# KiCad board s100_ColorMagic-1.1-004.kicad_pcb (continued)
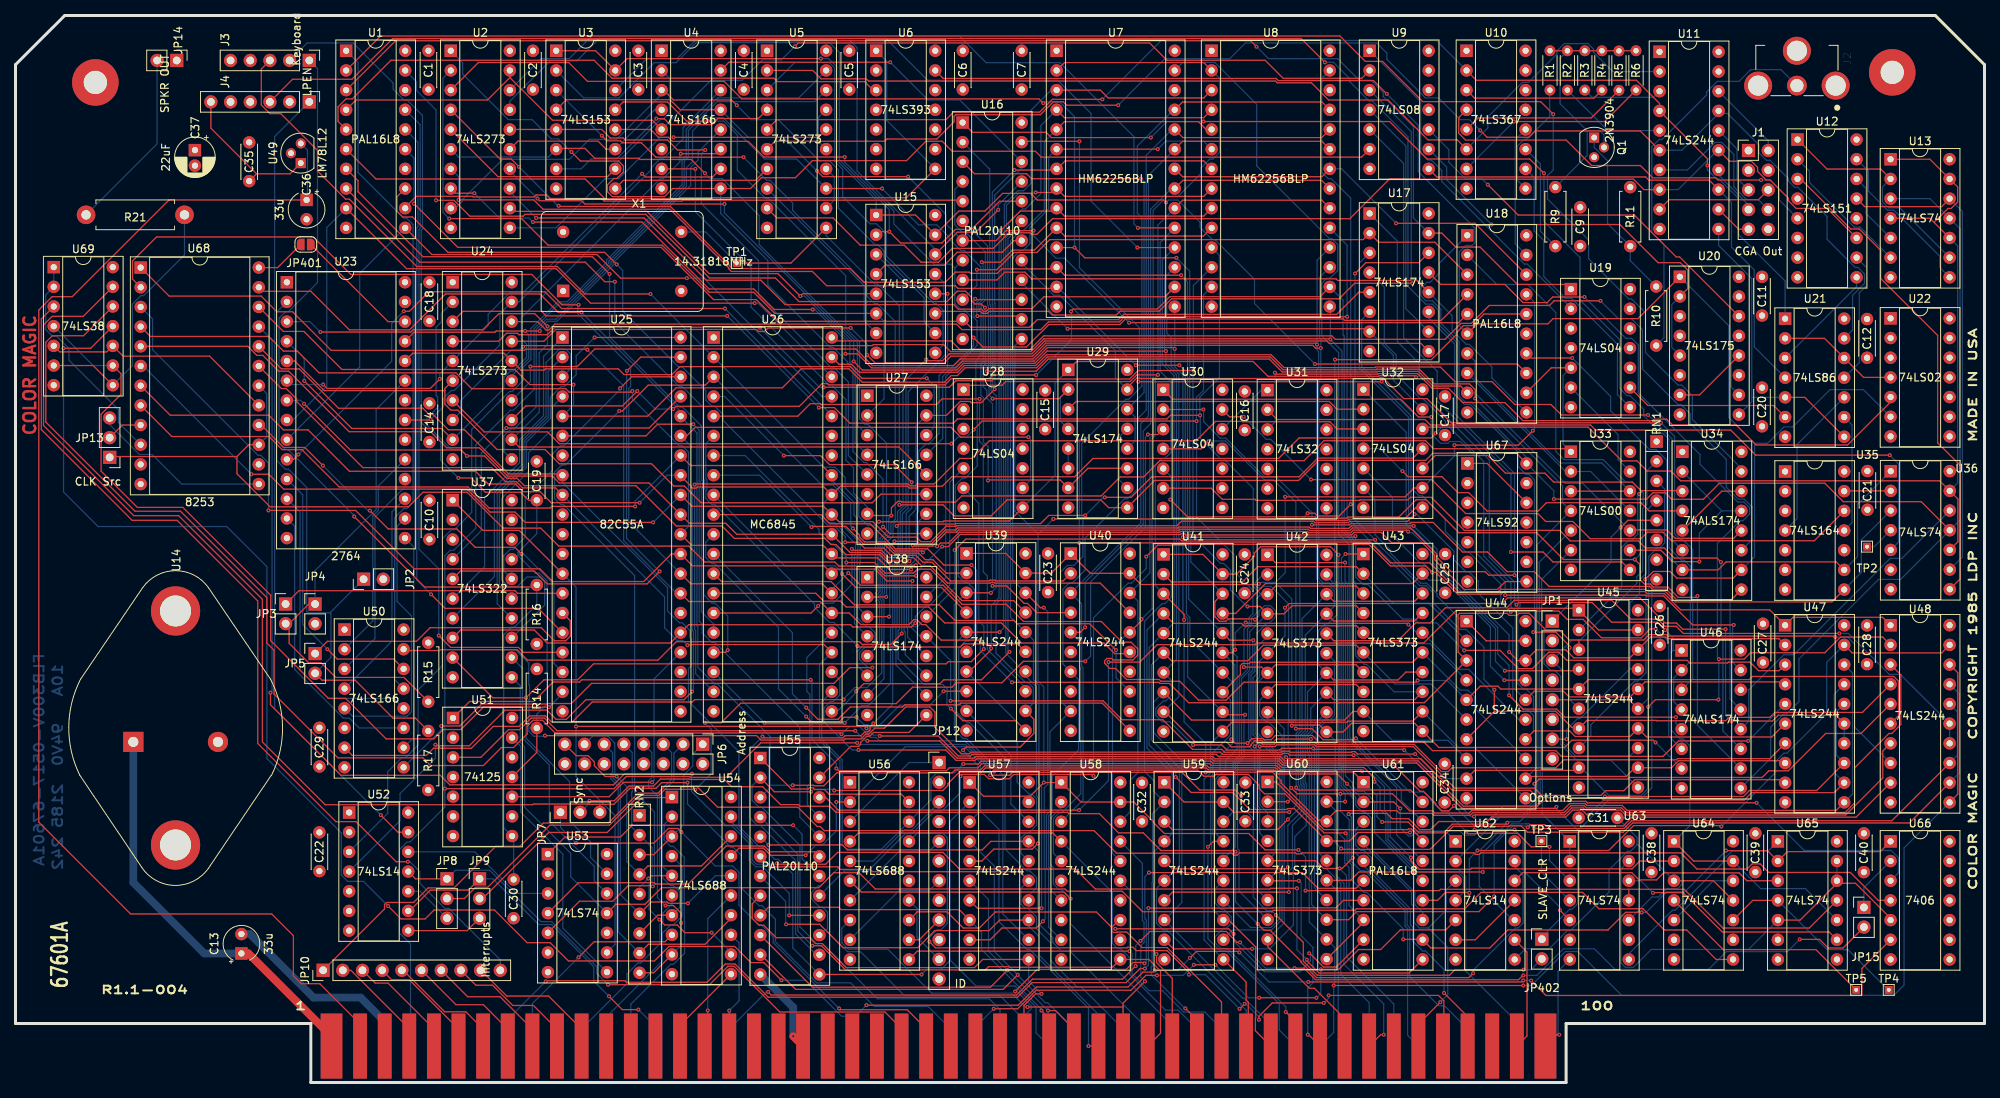
[diagram p0: board, top side]
## Routing (per net, layer and track width the routed paths; a pad name or vN(x,y) marks a point on that pad's centre or on a via; arc(x,y) is an arc through that point) (continued)
DISPEN: length 120.5
  Component w0.152: v1(138,73.19) 133.28,73.19 132.23,72.14 121.3,72.14 121.23,72.07 113.91,72.07 v1(113.67,71.82) ; v1(140.52,75.52) 143.92,75.52 146.57,78.18 165.6,78.18 168,80.59 180.28,80.59 U32.11 ; v1(96.61,46.43) 96.74,46.3 106.84,46.3 v1(106.97,46.42)
  Copper w0.152: v1(113.67,71.82) 113.84,71.64 113.84,68.82 113.16,68.13 113.16,59.03 112.87,58.75 112.87,51.5 110.01,48.63 109.18,48.63 v1(106.97,46.42) ; v1(140.52,75.52) 140.33,75.52 v1(138,73.19) ; U26.18 v1(96.61,46.43)
DO0: length 111.5
  Component w0.152: v1(150.92,9.57) 152.4,8.08 P1.36 ; U43.2 172.98,66.57 160.25,66.57 158.28,64.6 149.12,64.6 U41.2
  Copper w0.152: U43.2 177.69,61.86 182.32,61.86 U44.2 ; U41.2 149.11,64.61 149.11,62.64 148.27,61.81 147.92,61.81 145.64,59.52 145.64,40.16 146.92,38.87 146.92,37.49 U59.2 146.67,34.68 146.67,25.85 146.62,25.79 146.62,15.04 146.51,14.93 146.51,13.9 150.84,9.57 v1(150.92,9.57)
DO1: length 102.7
  Component w0.152: P1.35 149.23,13.44 147.2,15.47 v1(147.2,16.57) ; U43.5 172.98,58.95 158.91,58.95 158.88,58.92 158.5,58.92 158.16,59.25 149.39,59.25 U41.4
  Copper w0.152: v1(147.2,16.57) 146.9,16.86 146.9,25.68 146.95,25.73 146.95,29.88 U59.4 149.21,32.14 149.21,39.91 145.96,43.16 145.96,58.39 U41.4 ; U43.5 175.28,56.65 182.45,56.65 187.18,51.92
DO2: length 103.5
  Component w0.152: U41.6 149.13,54.43 158.97,54.43 160.97,56.44 172.95,56.44 U43.6
  Copper w0.152: U43.6 177.96,51.42 181.06,51.42 181.07,51.43 182.59,51.43 U44.6 ; 158.75,4.7 158.75,9.33 158.11,9.97 158.11,10.1 148.54,19.67 148.08,19.67 147.19,20.56 147.19,25.04 U59.6 150.14,27.99 150.14,40.61 146.52,44.22 146.52,53.88 U41.6
DO3: length 98
  Component w0.152: U43.9 172.55,47.88 171.45,46.78 164.95,46.78 164.94,46.78 164.33,46.78 164.32,46.78 151.7,46.78 U41.8
  Copper w0.152: U43.9 177.61,44.16 184.78,44.16 187.18,41.76 ; P1.89 161.93,7.47 158.53,10.87 158.3,10.87 U59.8 150.46,23.23 150.46,41.51 146.81,45.17 146.81,49.08 U41.8
DO4: length 88.9
  Component w0.152: U43.12 180.26,46.64 171.9,46.64 171.76,46.5 164.84,46.5 164.83,46.5 164.45,46.5 164.44,46.5 156.92,46.5 U41.11 ; 158.75,4.7 159.03,4.98 159.03,10.35 158.75,10.63 158.75,12.96 U59.11
  Copper w0.152: U41.11 154.15,43.72 154.15,39.96 153.32,39.13 153.32,18.39 U59.11 ; U44.11 188.27,43.21 186.17,43.21 U43.12
DO5: length 99.2
  Component w0.152: U41.13 158.01,52.66 158.01,53.8 158.28,54.07 159.14,54.07 159.31,54.24 180.23,54.24 U43.15 ; P1.39 159.94,6.68 159.94,8.29 159.98,8.32 159.98,17.49 156.5,20.97 U59.13
  Copper w0.152: U41.13 156.73,49.37 156.73,44.83 154.46,42.56 154.46,39.75 154.19,39.48 154.19,30.78 154.29,30.69 154.29,22.5 U59.13 ; U43.15 186.37,50.64 187.37,50.64 188.23,49.78 188.23,48.34 194.8,41.76
DO6: length 107.7
  Component w0.152: U41.15 156.93,55.45 v1(157.34,55.86) ; v1(163.86,9.1) 165.1,7.86 165.1,4.7 ; v1(179.7,59.1) 179.53,59.26 158.8,59.26 v1(158.69,59.37)
  Copper w0.152: v1(163.86,9.1) 163.86,9.76 156.32,17.3 155.48,17.3 154.73,18.05 154.73,18.8 155.82,19.9 156.18,19.9 156.83,20.54 156.83,21.39 155.84,22.37 155.54,22.37 154.75,23.16 154.75,24.98 U59.15 154.57,27.3 154.57,31.85 154.47,31.95 154.47,39.37 155.39,40.28 155.39,42.16 157.3,44.07 157.3,53.88 U41.15 ; v1(158.69,59.37) 157.34,58.03 v1(157.34,55.86) ; U44.15 193.93,46.84 187.45,53.32 186.23,53.32 U43.16 180.75,58.05 v1(179.7,59.1)
DO7: length 114.8
  Component w0.152: U59.17 154.53,31.13 v1(153.82,30.43) ; 194.8,51.92 v1(192.06,51.92) ; U43.19 180.23,64.4 161.25,64.4 157.39,60.53 U41.17
  Copper w0.152: U43.19 182.35,64.82 184.26,64.82 190.27,58.81 190.27,53.72 v1(192.06,51.92) ; U41.17 156.79,59.46 156.79,55.74 157.58,54.95 157.58,43.03 156.11,41.57 156.11,40.47 154.81,39.16 154.81,32.14 U59.17 ; v1(153.82,30.43) 153.82,18.55 155.42,16.96 156.24,16.96 163.02,10.18 163.02,6.78 165.1,4.7
DOTCLK: length 268.9
  Component w0.152: U19.5 198.12,92.23 194.9,89.02 ; U33.1 200.24,81.8 182.94,81.8 181.91,82.82 168.79,82.82 166.22,80.25 147.61,80.25 145.52,78.15 142.5,78.15 140.05,75.7 122.07,75.7 121.28,74.91 114.31,74.91 114.21,75.01 113.83,75.01 112.99,74.17 v1(112.99,73.17) 110.1,73.17 U27.7 ; v1(106.83,49.41) 87.59,49.41 87.29,49.11 74.4,49.11 71.87,46.57 69.08,46.57 68.34,47.31 66.33,47.31 64.97,45.96 61.63,45.96 58.81,43.14 53.93,43.14 53,42.21 43.45,42.21 U50.7 ; U4.7 v1(87.7,117.92)
  Copper w0.152: U19.5 199.64,91.23 199.64,82.4 U33.1 ; U27.7 109.88,74.27 108.11,76.05 108.11,79.34 107.12,80.32 107.12,88.15 105.36,89.91 105.04,89.91 94.89,100.06 94.89,105.2 87.7,112.39 v1(87.7,117.92) ; v1(112.99,73.17) 112.65,72.82 112.65,70.97 111.82,70.14 111.82,63.25 111.53,62.97 111.53,62.36 111.75,62.15 111.75,52.87 109.84,50.97 108.27,50.97 106.83,49.53 v1(106.83,49.41)
DOTD0: length 35
  Component w0.152: v1(40.24,55.92) 41.51,54.64 48.8,54.64 U50.14
  Copper w0.152: U23.11 37.05,75.83 37.05,59.1 v1(40.24,55.92)
DOTD1: length 38.2
  Copper w0.152: U23.12 36.71,73.64 36.71,53.22 40.36,49.56 48.8,49.56 U50.12
DOTD2: length 37.1
  Copper w0.152: U50.11 44.33,45.75 43.06,47.03 42.29,47.03 36.01,53.31 36.01,71.8 U23.13
DOTD3: length 28.1
  Copper w0.152: U50.10 51.37,44.52 51.37,69.13 U23.15
DOTD4: length 35.4
  Copper w0.152: U50.5 43.46,47.28 50.5,47.28 51.08,47.86 51.08,60.23 49.22,62.09 49.22,71.77 U23.16
DOTD5: length 27.7
  Copper w0.152: U23.17 48.56,73.66 48.56,56.95 U50.4
DOTD6: length 27.7
  Copper w0.152: U50.3 46.37,57.3 46.37,72.99 50.24,76.87 U23.18
DOTD7: length 27.7
  Copper w0.152: U50.2 46.09,59.56 46.09,73.11 46.8,73.83 46.8,76.98 U23.19
ENABLE_BLINK: length 181.1
  Component w0.152: U1.3 49.03,134.45 159.32,134.45 v1(160.09,133.69) ; U17.15 184,109.61 185.79,107.82 188.92,107.82 193.75,102.99 200.05,102.99 U19.1
  Copper w0.152: v1(160.09,133.69) 161.64,132.14 170.56,132.14 173.35,129.34 174.87,129.34 176.43,127.78 176.43,127.25 180.33,123.35 180.33,111.58 U17.15
FB1: length 37.2
  Component w0.152: U33.12 U33.3
  Copper w0.152: U33.12 204.63,79.95 199.25,79.95 188.28,90.92 188.28,93.09 187.28,94.1
FB2: length 28.4
  Copper w0.152: U18.8 187.28,91.53 199.95,78.86 U33.2 203.19,78.86 U33.11
G: length 177.7
  Component w0.152: U11.6 209.59,122.81 196.04,122.81 195.22,121.99 189.83,121.99 v1(188.95,122.88) ; U5.6 97.97,121.48 112.14,121.48 112.43,121.77 118.85,121.77 121.06,123.98 121.06,124.67 121.3,124.9 132.21,124.9 133.88,126.57 135.16,126.57 135.6,126.13 v1(142.25,126.13)
  Copper w0.152: v1(188.95,122.88) 187.56,124.27 186.37,124.27 183.56,127.07 181.88,127.07 176.91,132.05 176.91,132.84 175.59,134.16 158.65,134.16 156.63,132.14 148.26,132.14 v1(142.25,126.13) ; 219.7,125.07 214.95,120.31 U11.6 ; 219.7,125.07 U11.17 ; 219.7,125.07 220.84,125.07 224.9,121 224.9,119.98 225.87,119.01 226.35,119.01 228.72,116.64 228.72,116.34 229.51,115.55 229.92,115.55 233.69,111.78 233.69,108.82 237.33,105.19 237.68,105.19 238.52,104.35 238.52,103.12 236.98,101.58 236.98,97.12 U21.13
G_OUT: length 6.7
  Copper w0.152: U11.14 219.7,117.12 223.56,113.26 J1.7
GA0: length 75.2
  Component w0.152: U39.11 129.03,46.69 122.22,46.69 v1(120.65,48.25) ; v1(99.11,80.91) 103.84,80.91 105.01,79.74 113.33,79.74 v1(115.61,77.46)
  Copper w0.152: v1(99.11,80.91) 91.49,88.53 U26.4 ; v1(120.65,48.25) 120.16,48.75 120.16,50.16 120.21,50.22 120.21,50.75 119.6,51.36 117.19,51.36 113.86,54.7 113.86,58.34 114.02,58.5 114.02,67.66 114.9,68.54 114.9,73.44 115.61,74.15 v1(115.61,77.46)
GA1: length 75.5
  Component w0.152: v1(124.36,88.22) 119.53,88.22 118.81,87.5 103.88,87.5 103.77,87.61 102.53,87.61 100.91,86 U26.5
  Copper w0.152: U39.13 130.3,50.96 125.38,55.88 125.38,56.14 125.37,56.15 125.37,65.38 124.84,65.9 124.84,82.26 124.36,82.74 v1(124.36,88.22)
GA2: length 58.6
  Component w0.152: v1(108.61,56.34) 108.75,56.21 121.88,56.21 122.28,56.61 129.26,56.61 U39.15
  Copper w0.152: U26.6 89.05,82.44 89.05,77.96 89.19,77.82 89.19,76.51 89.05,76.37 89.05,75.39 89.87,74.56 90.24,74.56 103.08,61.73 103.08,61.31 105.02,59.37 105.58,59.37 v1(108.61,56.34)
GA3: length 49.7
  Component w0.152: v1(107.18,67.11) 110.82,67.11 112.18,65.75 115.83,65.75 116.33,66.25 118.03,66.25 122.08,62.2 128.76,62.2 U39.17
  Copper w0.152: v1(107.18,67.11) 107.18,67.82 105.52,69.48 105.15,69.48 103.66,70.97 103.66,71.36 94.11,80.92 U26.7
GA4: length 37.9
  Component w0.152: U39.2 120.07,65.74 118.33,67.47 117.35,67.47 116.51,68.32 113.25,68.32 112.09,69.48 109.43,69.48 108.19,70.72 108.16,70.72 107.12,71.77 102.77,71.77 v1(102.69,71.68)
  Copper w0.152: U26.8 96,78.38 v1(102.69,71.68)
GA5: length 39
  Component w0.152: v1(106.64,65.64) 108.4,63.88 119.45,63.88 U39.4
  Copper w0.152: v1(106.64,65.64) 106.64,65.75 105.72,66.68 99.22,66.68 U26.9
GA6: length 48
  Component w0.152: U26.10 103.88,73.3 105.07,72.1 110.27,72.1 113.49,68.88 117.67,68.88 119.77,66.78 v1(123.32,66.78)
  Copper w0.152: U39.6 123.99,56.9 123.99,66.11 v1(123.32,66.78)
GA7: length 53.1
  Component w0.152: v1(101.99,47.23) 102.64,46.58 106.31,46.58 106.87,47.14 v1(108.49,47.14) ; U39.8 v1(119.73,50.5)
  Copper w0.152: v1(108.49,47.14) 109.46,46.17 109.97,46.17 110.26,45.88 111.24,45.88 114.06,48.69 117.93,48.69 v1(119.73,50.5) ; U26.11 89.05,69.74 89.05,67.76 89.84,66.97 90.19,66.97 98.42,58.74 98.42,50.8 v1(101.99,47.23)
GA8: length 69.5
  Component w0.152: U40.11 140.18,48.97 121.94,48.97 121.72,48.74 114.72,48.74 114.43,48.46 107.68,48.46 106.1,46.88 103.51,46.88 v1(102,48.38)
  Copper w0.152: v1(102,48.38) 100.22,50.17 100.22,58.06 U26.12
GA9: length 62.1
  Component w0.152: v1(141.97,55.81) 138.56,59.21 129.2,59.21 128.78,59.63 121.19,59.63 119.16,61.65 108.2,61.65 105.21,64.65 91.08,64.65 U26.13
  Copper w0.152: U40.13 141.97,52.25 v1(141.97,55.81)
GA10: length 57
  Component w0.152: U26.14 103.24,63.14 104.24,62.13 106.4,62.13 107.17,61.36 117.81,61.36 119.86,59.32 127.17,59.32 129.78,56.72 140.41,56.72 141.78,55.35 143.54,55.35 U40.15
GA11: length 63.3
  Component w0.152: v1(107.9,68.86) 108.07,68.68 111.7,68.68 112.62,67.75 115.83,67.75 116.92,66.67 118.01,66.67 120.23,64.45 125.75,64.45 125.85,64.55 126.23,64.55 126.33,64.45 139.93,64.45 U40.17 ; v1(103.54,61.5) 102.63,60.59 U26.15
  Copper w0.152: v1(107.9,68.86) 107.9,64.28 105.48,61.86 103.9,61.86 v1(103.54,61.5)
GA12: length 92.6
  Component w0.152: v1(76.63,104.35) 74.41,106.58 52.56,106.58 44.19,114.96 44.19,116.38 U1.7
  Copper w0.152: U26.16 90.06,59.17 88.48,60.76 88.48,76.59 88.63,76.74 88.63,77.59 88.48,77.74 88.48,84.74 86.05,87.17 85.69,87.17 76.63,96.23 v1(76.63,104.35)
GA13: length 95.7
  Component w0.152: v1(77.31,103.35) 76.02,103.35 73.5,105.87 52.15,105.87 U1.8 ; U26.17 91.61,55.52 v1(91.88,55.79)
  Copper w0.152: v1(77.31,103.35) 77.31,98.13 85.64,89.81 86.02,89.81 88.76,87.06 88.76,77.86 88.91,77.71 88.91,76.62 88.76,76.47 88.76,62.96 89.86,61.86 90.22,61.86 91.88,60.2 v1(91.88,55.79)
GRPH: length 139.5
  Component w0.152: U17.5 173.29,102 170.43,99.13 142.96,99.13 142.29,98.46 131.82,98.46 130.83,97.47 123.21,97.47 U16.11 121.92,98.24 98.37,98.24 95.56,101.04 90.04,101.04 83.3,107.78 57.05,107.78 v1(51.42,113.41)
  Copper w0.152: v1(51.42,113.41) 51.42,119.3 U1.15
HCLK: length 216.7
  Component w0.152: U39.1 127.76,68.28 U39.19 133.61,65.74 U40.1 138.67,65.72 U40.19 145.2,64.27 160.31,64.27 v1(160.4,64.35) ; 169.15,15.93 173.9,20.69 U61.8 ; v1(163.78,75.59) 179.26,75.59 180.41,76.73 U32.9 ; v1(164.64,46.04) 164.72,46.13 168.24,46.13 U42.11 171.24,45.25 172.35,46.35 180.49,46.35 U43.11 183.61,43.24 199.84,43.24 200.77,44.17 211.28,44.17 v1(211.56,43.89) ; v1(195.74,84.12) 193.88,82.26 v1(185.62,82.26)
  Copper w0.152: U46.7 v1(211.56,43.89) ; 162.53,64.53 164.64,62.42 v1(164.64,46.04) ; 162.53,64.53 160.58,64.53 v1(160.4,64.35) ; 162.53,64.53 163.78,65.79 v1(163.78,75.59) ; v1(185.62,82.26) 185.62,80.86 U32.9 ; v1(195.74,84.12) 195.96,84.34 195.96,100.66 U18.17 ; U42.11 170.23,44.14 170.23,37.28 170.62,36.9 170.62,32.23 171.47,31.38 171.47,28.3 172.03,27.74 172.03,22.84 U61.8
HDGRAPHIC: length 82.6
  Component w0.152: U17.12 180.69,103.61 179.99,103.61 179.9,103.51 170.56,103.51 170.35,103.73 131.07,103.73 130.22,104.58 127.62,104.58 126.61,103.58 U16.9
  Copper w0.152: U18.11 190.45,90.93 190.45,92.36 187.53,95.27 187.15,95.27 185.32,97.1 185.32,98.97 U17.12
HI_ADDR: length 106.1
  Component w0.152: v1(165.31,25.06) 161.92,25.06 161.83,24.97 139.31,24.97 136.73,27.54 121.79,27.54 119.64,29.7 106.04,29.7 104.51,28.17 98.37,28.17 v1(98.25,28.29) ; v1(166.59,15.84) 166.59,15.7 168.15,14.13 179.77,14.13 U61.11
  Copper w0.152: v1(166.59,15.84) 165.31,17.12 v1(165.31,25.06) ; U54.19 92.3,33.68 95.01,30.97 95.01,28.74 95.58,28.18 98.13,28.18 v1(98.25,28.29)
HRES: length 72.1
  Component w0.152: v1(124.02,104.9) 126.59,104.9 128.81,107.12 131.76,107.12 133.42,108.78 173.84,108.78 U17.2 175.85,108.44 183.1,108.44 U18.3
  Copper w0.152: U16.10 124.02,102.87 v1(124.02,104.9)
HSYNC: length 129.6
  Component w0.152: v1(210.6,86.15) 199.43,86.15 198.08,87.5 193.41,87.5 190.46,90.45 185.69,90.45 183.8,92.34 175.45,92.34 175.38,92.27 163.63,92.27 161.97,93.93 132.99,93.93 131.6,92.54 122.4,92.54 121.53,91.66 108.87,91.66 107.84,92.69 106.22,92.69 U26.39
  Copper w0.152: U34.6 213.7,70.03 213.7,83.05 v1(210.6,86.15)
HSYNC_OUT: length 40.4
  Component w0.152: U21.5 230.82,88.42 U21.8
  Copper w0.152: U20.9 223.98,87.86 223.98,88.42 ; 223.98,88.42 U21.5 ; 223.98,88.42 223.98,103.75 219.7,108.03 U11.11
I: length 127.8
  Component w0.152: U5.2 102.84,130.62 103.93,129.53 109.77,129.53 110.06,129.24 162.55,129.24 162.78,129.02 167.17,129.02 169.39,126.81 177.05,126.81 182.2,121.66 185.98,121.66 U10.6
  Copper w0.152: U11.2 206.05,130.47 203.55,132.97 203.55,133.38 202.85,134.08 199.79,134.08 198.85,133.14 198.85,132.75 195.18,129.08 194.38,129.08 189.93,124.63 189.93,123.21 U10.6
I_OUT: length 10.3
  Copper w0.152: J1.2 226.1,121.53 U11.18
KBD_CLK: length 311.1
  Component w0.152: v1(180.01,29.04) 180.01,28.63 181.12,27.52 187.7,27.52 187.84,27.66 192.36,27.66 192.45,27.57 208.54,27.57 209.54,28.58 U64.2 ; v1(172.61,42.25) 164.37,42.25 164.14,42.48 163.48,42.48 163.34,42.34 155.71,42.34 155.41,42.63 123.26,42.63 123.05,42.42 122.03,42.42 118.61,45.84 118.61,47.81 117.96,48.46 114.83,48.46 112.11,45.74 110.85,45.74 110.09,44.97 109.7,44.97 109.08,44.35 107.01,44.35 106.86,44.2 96.18,44.2 95.6,44.77 v1(68.3,44.77) ; v1(43.69,73.04) 52.79,63.95 66.98,63.95 R16.1
  Copper w0.152: R16.1 67.25,61.66 64.36,58.77 63.97,58.77 62.98,57.78 62.98,55.84 ; v1(68.3,44.77) 68.21,44.68 66.86,44.68 66.23,45.31 66.23,49.37 66.32,49.46 66.32,51.2 66.21,51.3 66.21,54.13 64.49,55.84 62.98,55.84 ; 62.98,55.84 62.98,32.89 U51.8 64.26,31.6 C30.1 ; v1(172.61,42.25) 172.99,42.25 177.34,37.9 177.34,31.71 v1(180.01,29.04) ; v1(43.69,73.04) 43.69,73.16 35.16,81.69 34.8,81.69 34,82.49 34,98.65 34.82,99.47 35.19,99.47 38.96,103.24 38.96,130.85 J3.1
KBD_DATA: length 124
  Component w0.152: U51.11 67.25,42.61 R14.1 ; v1(57.13,78.02) 58.77,78.02 60.62,76.18 65.16,76.18 66.18,75.16 C19.1
  Copper w0.152: 64.81,68.02 64.5,68.02 U37.17 ; 64.81,68.02 64.81,68.4 67.25,70.83 C19.1 ; 64.81,68.02 67.09,65.74 67.54,65.74 68.58,64.7 68.58,48.86 67.25,47.53 R14.1 ; 35.36,131.91 37.62,134.16 43.54,134.16 48.71,128.99 48.71,128.19 50.1,126.81 50.5,126.81 52.5,124.81 52.5,110.12 52.34,109.96 52.34,85.19 54.84,82.68 54.84,80.31 v1(57.13,78.02)
LATCH_CLK: length 112.3
  Component w0.152: U16.14 129.38,98.91 v1(124.09,98.91) ; U5.13 v1(111.79,115.38)
  Copper w0.152: U24.11 63,81.43 63,83.44 63.93,84.36 64.34,84.36 67.17,87.19 67.17,97.19 68.5,98.51 69.72,98.51 76.81,105.6 76.81,105.89 86.54,115.63 86.54,118.06 87.34,118.86 87.34,122.81 89.1,124.57 89.46,124.57 89.53,124.5 91.29,124.5 96.61,119.19 100.76,119.19 U5.13 ; v1(124.09,98.91) 124,99 124,100.7 124.51,101.21 124.51,105.26 122.39,107.39 121.93,107.39 120.43,108.89 120.43,109.11 118.85,110.69 116.48,110.69 v1(111.79,115.38)
LC1: length 6
  Copper w0.152: U5.14 105.62,116.87 105.62,113.88 U5.12
LC2: length 5.9
  Copper w0.152: U5.15 103.56,121.46 103.56,124.53 U5.17
LCLK: length 181.8
  Component w0.152: 135.8,89.43 134.62,88.25 v1(126.05,88.25) ; v1(137.23,69.64) 150.9,69.64 151.01,69.75 174.68,69.75 177.37,67.06 182.44,67.06 186.15,63.35 191.3,63.35 191.59,63.64 210.36,63.64 210.63,63.37 212.82,63.37 214.17,62.03 234.31,62.03 U35.8
  Copper w0.152: U16.2 125.67,117.86 125.67,100.42 125.79,100.31 125.79,90 125.57,89.78 125.57,88.73 v1(126.05,88.25) ; 135.8,89.43 134.79,88.42 134.79,85.36 U29.4 137.23,82.92 v1(137.23,69.64) ; U36.3 238.1,70.02 238.1,65.82 U35.8
LPENSTR: length 236.1
  Component w0.152: v1(82.21,25.32) 82.13,25.39 79.03,25.39 77.03,23.4 72.75,23.4 U53.5 ; v1(117.06,68.42) 116.88,68.6 113.37,68.6 112.21,69.76 109.54,69.76 108.88,70.43 108.88,70.66 v1(108.03,71.5) ; v1(179.65,71.09) 179.46,71.29 172.57,71.29 172.23,70.95 166.83,70.95 166.66,71.12 150.28,71.12 150.18,71.01 121.76,71.01 120.37,69.62 119.32,69.62 v1(118.9,69.2) ; U26.3 88.99,90 81.62,90 78.28,86.66 v1(77.88,86.66) ; U45.4 201.5,53.14 v1(192.13,53.14)
  Copper w0.152: v1(179.65,71.09) 179.8,70.95 180.22,70.95 182.53,68.64 182.53,66.98 190.92,58.59 190.92,54.35 v1(192.13,53.14) ; v1(77.88,86.66) 70.92,79.69 70.46,79.69 69.54,78.78 69.54,75.38 70.34,74.58 70.7,74.58 79.87,65.41 79.87,37.47 82.42,34.91 82.42,25.54 v1(82.21,25.32) ; v1(118.9,69.2) 117.83,69.2 v1(117.06,68.42) ; v1(108.03,71.5) 107.74,71.79 107.74,74.84 105.48,77.11 104.03,77.11 U26.3
MA0: length 112.7
  Component w0.152: U8.10 153.24,109.24 135.36,109.24 U7.10 131.43,107.43 128.6,107.43 127.04,105.86 v1(124.65,105.86)
  Copper w0.152: U57.18 128.4,35.96 128.4,42.23 U39.9 121.67,48.97 121.67,56.06 122.59,56.98 122.96,56.98 123.7,57.72 123.7,63.64 122.81,64.53 122.44,64.53 121.61,65.35 121.61,70.97 121.24,71.35 121.24,77.09 122.15,78 122.51,78 124.06,79.56 124.06,87.84 123.89,88.01 123.89,93.21 124.55,93.87 124.55,99.46 124.28,99.72 124.28,100.58 124.82,101.12 124.82,105.7 v1(124.65,105.86)
MA1: length 118.1
  Component w0.152: U8.9 153.28,111.81 135.32,111.81 U7.9 133.93,112.47 129.61,112.47 v1(127.08,109.93) ; v1(125.86,56.05) 125.86,55.86 123.04,53.04 U39.7
  Copper w0.152: U39.7 129.21,46.51 129.21,38.77 130.77,37.21 131.12,37.21 131.72,36.6 131.72,33.22 130.66,32.16 130.31,32.16 129.69,31.54 129.69,29.59 U57.16 ; v1(127.08,109.93) 126.88,109.73 126.88,62.55 125.86,61.53 v1(125.86,56.05)
MA2: length 128.2
  Component w0.152: U8.8 153.28,114.36 135.32,114.36 U7.8 133.79,114.86 v1(131.6,114.86) ; U39.5 v1(126.95,58.12)
  Copper w0.152: U57.14 130.7,24.13 131.71,25.14 131.71,26.46 130.86,27.31 130.47,27.31 127.65,30.14 127.65,41.87 123.09,46.43 122.79,46.43 121.39,47.82 121.39,48.56 121.38,48.58 121.38,56.82 U39.5 ; v1(126.95,58.12) 127.47,58.63 127.47,109.24 127.84,109.61 127.84,113.2 129.41,114.77 131.51,114.77 v1(131.6,114.86)
MA3: length 135.6
  Component w0.152: U8.7 153.27,118.95 135.41,118.95 134.38,117.92 U7.7 134.14,117.76 v1(128.87,117.76) ; U39.3 v1(125.83,63.2)
  Copper w0.152: v1(125.83,63.2) 126.51,63.88 126.51,88.62 125.85,89.28 125.85,89.66 126.07,89.88 126.07,100.42 126.02,100.48 126.02,114.91 v1(128.87,117.76) ; U39.3 121.09,61.61 121.09,48.47 121.11,48.44 121.11,45.53 122.24,44.4 122.66,44.4 127.36,39.7 127.36,21.76 130.7,18.42
MA4: length 136
  Component w0.152: 123.08,18.42 125.73,18.42 127.25,19.94 131.67,19.94 v1(132.54,20.81) ; U7.6 v1(147.35,120.45) ; U39.18 132.22,61.28 v1(132.64,61.28)
  Copper w0.152: v1(132.64,61.28) 133.16,60.76 133.16,38.47 132.71,38.02 132.71,27.57 132.82,27.46 132.82,21.1 v1(132.54,20.81) ; U7.6 133.28,119.43 133.28,112.74 130.86,110.32 130.86,108.28 129.96,107.39 129.62,107.39 128.63,106.4 128.63,64.86 U39.18 ; v1(147.35,120.45) 148.39,121.49 153.27,121.49 U8.6
MA5: length 135.4
  Component w0.152: v1(132.36,22.48) 124.1,22.48 U57.7 ; U8.5 153.6,123 152.59,124.01 135.32,124.01 U7.5
  Copper w0.152: U7.5 132.71,121.41 132.71,112.64 130,109.92 129.64,109.92 128.35,108.63 128.35,60.06 U39.16 131.32,57.09 131.32,51.99 132.02,51.3 132.02,38.56 132.36,38.21 v1(132.36,22.48)
MA6: length 130.1
  Component w0.152: v1(131.89,30.85) 131.16,30.12 126.19,30.12 124.65,28.58 U57.5 ; U7.4 135.32,124.52 153.28,124.52 U8.4
  Copper w0.152: U7.4 132.28,123.51 132.28,114.73 130.28,112.73 129.91,112.73 128.12,110.94 128.12,109.41 127.75,109.04 127.75,55.4 130.11,53.04 U39.14 130.3,52.47 131.71,51.06 131.71,37.01 132.02,36.7 132.02,30.98 v1(131.89,30.85)
MA7: length 131.4
  Component w0.152: U8.3 153.29,127.06 140.95,127.06 139.94,128.07 U7.3 ; U39.12 131.36,46.9 131.36,45.05 129.6,43.29 122.63,43.29 v1(122.23,42.89)
  Copper w0.152: U57.3 124.13,34.71 124.13,40.98 v1(122.23,42.89) ; U39.12 131.3,48.97 131.3,50.94 130.65,51.6 130.32,51.6 126.49,55.42 126.49,61.77 127.16,62.44 127.16,109.37 127.55,109.76 127.55,113.32 129.32,115.08 130.03,115.08 130.99,116.05 130.99,125.47 133.6,128.07 U7.3
MA8: length 138.1
  Component w0.152: U7.25 150.55,126.54 168.53,126.54 U8.25
  Copper w0.152: U7.25 149.39,125.53 144.71,120.85 144.71,112.2 145.3,111.61 145.3,89.88 143.58,88.16 143.22,88.16 137.54,82.48 137.54,72.92 137.69,72.76 137.69,67.9 136.52,66.73 135.68,66.73 134.81,65.86 134.81,49.25 U40.9 133.45,45.26 133.45,34.99 132.99,34.53 132.99,27.69 133.27,27.42 133.27,20.05 134.9,18.42
MA9: length 130.1
  Component w0.152: U7.24 150.58,121.95 168.5,121.95 U8.24
  Copper w0.152: U7.24 149.19,123 145.87,119.67 145.87,86.78 144.71,85.62 144.71,76.59 143.45,75.33 143.06,75.33 137.97,70.24 137.97,66.14 136.28,64.45 135.91,64.45 135.12,63.66 135.12,54.02 U40.7 137.14,52 137.14,42.93 133.73,39.53 133.73,34.87 133.27,34.42 133.27,27.81 133.56,27.53 133.56,24.84 U58.7
MA10: length 116.8
  Component w0.152: v1(137.98,58.75) 137.32,58.09 U40.5 ; U8.21 168.48,116.43 150.6,116.43 U7.21
  Copper w0.152: v1(137.98,58.75) 137.98,64.58 145.48,72.08 145.48,84.09 146.43,85.04 146.43,112.7 149.1,115.38 U7.21 ; U40.5 137.26,56.96 137.26,53.56 137.42,53.4 137.42,37.28 134.94,34.8 134.62,34.8 133.89,34.07 133.89,29.59 U58.5
MA11: length 115
  Component w0.152: U7.23 150.55,121.47 168.53,121.47 U8.23
  Copper w0.152: U7.23 146.15,117.06 146.15,86 145.16,85.01 145.16,72.21 U40.3 137.52,61.78 137.52,58.44 137.54,58.42 137.54,53.67 137.71,53.51 137.71,36.47 U58.3
MA12: length 125.4
  Component w0.152: U8.2 153.28,131.63 135.32,131.63 U7.2
  Copper w0.152: U8.2 155.32,129.6 155.32,120.05 154.46,119.19 154.07,119.19 152.94,118.05 152.94,117.33 149.92,114.32 148.51,114.32 146.76,112.57 146.76,83.66 146.33,83.23 146.33,65.76 U40.18 144.78,62.14 144.78,39.98 143.78,38.97 143.78,34.91 U58.18
MA13: length 134.8
  Component w0.152: U8.20 168.51,113.87 150.57,113.87 U7.20 ; v1(147.38,91.32) 144.65,91.32 143.79,90.47 127.75,90.47 127.26,89.97 122.84,89.97 U28.1 ; v1(145.26,59.8) 145.26,59.61 U40.16
  Copper w0.152: U40.16 143.61,58.09 141.51,56 141.51,29.59 U58.16 ; U7.20 147.38,110.67 147.38,91.33 v1(147.38,91.32) 147.04,90.98 147.04,83.54 146.61,83.11 146.61,61.15 v1(145.26,59.8)
MD0: length 198.5
  Component w0.152: v1(152.81,86.11) 149,86.11 148.54,85.65 121.53,85.65 120.96,85.08 107.65,85.08 105.64,87.1 v1(103.63,87.1) ; v1(91.81,98.94) 68.45,98.94 67.86,99.53 57.72,99.53 U24.3 ; U43.3 172.93,64.07 162.55,64.07 U42.3
  Copper w0.152: v1(103.63,87.1) 103.63,87.12 v1(91.81,98.94) ; U8.11 155.31,106.75 155.31,90.98 152.78,88.46 152.78,86.13 v1(152.81,86.11) 152.83,86.08 152.83,83.13 155.46,80.5 155.83,80.5 159.66,76.68 159.66,64.04 160.67,63.03 ; U42.3 160.67,63.03 ; 160.67,63.03 160.12,62.48 160.12,60.62 159.43,59.93 159.43,59.07 158.93,58.57 158.93,53.31 157.87,52.25 157.87,42.18 157.08,41.39 157.08,34.93 U59.18
MD1: length 198.9
  Component w0.152: U24.4 62.31,95.66 63.34,96.69 64.76,96.69 64.95,96.5 68.6,96.5 69.57,97.47 95.97,97.47 v1(96.04,97.41) ; v1(104.25,89.72) 120.45,89.72 121.3,90.57 125.95,90.57 126.18,90.8 143.72,90.8 144.82,91.89 v1(151.94,91.89) ; U43.4 172.94,61.53 164.67,61.53 163.63,60.48 U42.4 160.56,61.43 v1(158.93,61.43)
  Copper w0.152: v1(96.04,97.41) 103.72,89.72 v1(104.25,89.72) ; U42.4 159.21,58.19 159.21,53.19 158.15,52.13 158.15,42.06 157.36,41.28 157.36,30.41 155.82,28.87 U59.16 ; U8.12 151.94,102.86 v1(151.94,91.89) 151.9,91.84 151.9,70.56 155.47,66.98 155.85,66.98 156.73,66.11 156.73,63.57 158.86,61.43 v1(158.93,61.43)
MD2: length 212.1
  Component w0.152: v1(152.36,85.35) 152.35,85.36 124.71,85.36 v1(123.6,84.26) ; U24.7 60.47,83.97 68.63,83.97 70.15,82.45 v1(120.73,82.45) ; U43.7 172.93,53.91 162.55,53.91 U42.7 160.76,53.61 v1(158.47,53.61)
  Copper w0.152: v1(120.73,82.45) 121.59,83.31 122.68,83.31 123.6,84.23 v1(123.6,84.26) ; U59.14 159.33,20 161.94,20 163.09,21.16 163.09,42.22 160.21,45.1 160.21,51.57 U42.7 ; v1(158.47,53.61) 158.47,58.51 159.15,59.18 159.15,60.04 159.62,60.52 159.62,63.53 157.15,66 157.15,68.16 152.36,72.95 v1(152.36,85.35) 152.34,85.36 152.34,88.42 153.25,89.32 153.25,101.63 U8.13
MD3: length 223.7
  Component w0.152: U42.8 162.53,51.35 172.96,51.35 U43.8 ; v1(169.62,95.9) 169.54,95.98 132.66,95.98 131,94.32 120.63,94.32 119.72,95.23 110.66,95.23 110.53,95.1 65.62,95.1 v1(65.46,94.95)
  Copper w0.152: U42.8 160.5,49.31 160.5,47.37 161.35,46.52 161.66,46.52 163.38,44.8 163.38,21.03 162.03,19.69 156.99,19.69 155.82,18.52 U59.12 ; U43.8 172.42,51.89 172.42,64.55 172.31,64.65 172.31,69.98 171.11,71.18 171.11,94.41 v1(169.62,95.9) 169.62,100.05 U8.15 ; v1(65.46,94.95) 65.02,94.5 63.92,94.5 57.4,87.99 57.4,86.51 U24.8
